# Altium PCB MainBoard_V1_2.PcbDoc (continued)
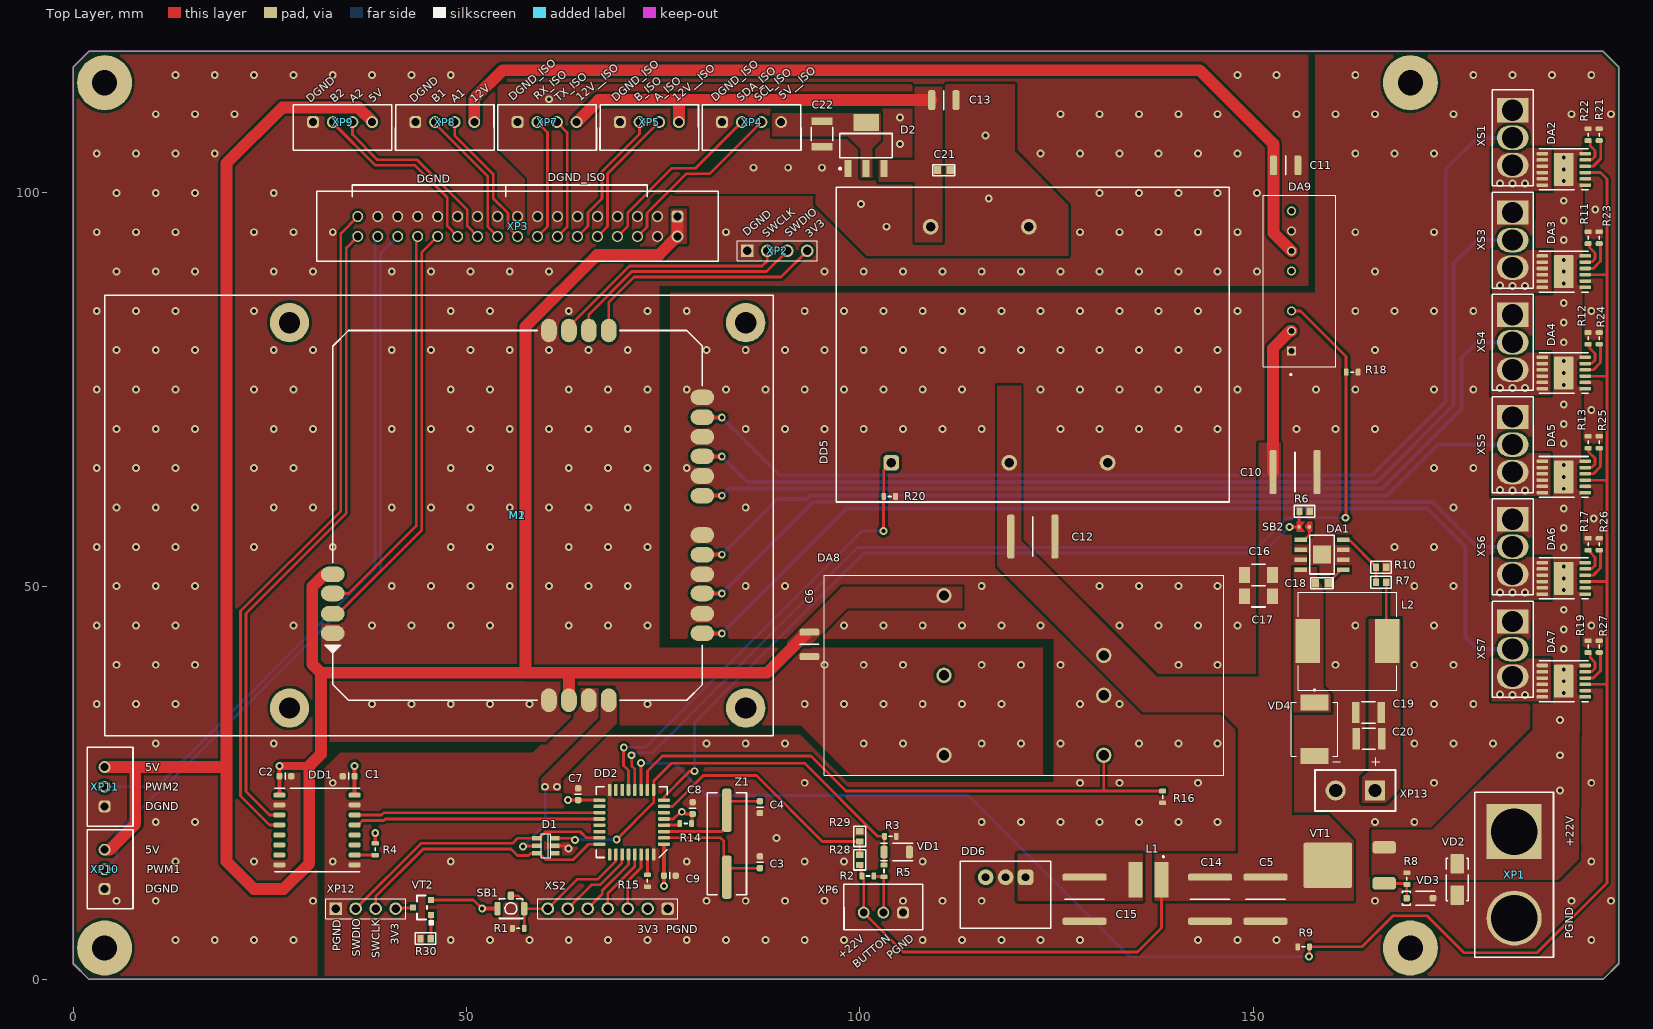
[diagram p0: Top Layer view]
## Part data (continued)
R10: library part Resistor_11k_1_0603, "Резистор номиналом 11 кОм и точностью 1%", Tolerance=1%, Part Number=Resistor_11k_1_0603
R21 R23 R24 R25 R26 R27: library part RC0603FR-071KL, "SMD 0603; 0,1; 1%; 1 кОм", Manufacturer=Yageo, Package="SMD 0603", Power=0,1, Category=R, Part Number=RC0603FR-071KL, Persent=1%
SB1: "SB", Manufacturer=OMRON, Part Number=B3U-1100PB, Type=SB
SB2: "Solder bridge, мост припоя, запаиваемая перемычка, net tie, jumper", Part Number=SB
VD1: "Zener, 3,3В", Manufacturer=Nexperia, Part Number=BZV55-C3V3,115, Type=Zener
VD2: "TVS 26 В", Manufacturer=BOURNS, Power=400W, Voltage=26V, Part Number=SMAJ26CA, Type=TVS
VD3: "Zener, 15В", Manufacturer=Nexperia, Part Number=BZX384-C15,115, Type=Zener
VD4: "Диод шоттки на 60 В, ном. ток 5 А", Current (A)=5, Voltage nominal (V)=60, Part Number=SK56
VT1: "P MOSFET", Manufacturer=Infineon, Part Number=IRFR5305TRPBF, Type=MOSFET, Сharacter=P
VT2: "P-канальный MOSFET", Part Number=AO3401A
XP1 XS1 XS3 XS4 XS5 XS6 XS7: Manufacturer=AMASS, Type=XT
  XP1: Part Number=XT90H-M
  XS1 XS3 XS4 XS5 XS6 XS7: Part Number=MR30-FB
XP2 XP12 XS2: Manufacturer=-, ComponentLink1Description=Datasheet
  XP2 XP12: Part Number=PLS-4, Type=PLS
  XS2: Part Number=PBS-7, Type=PBS
XP3: "IDC", Manufacturer=Connfly, Part Number=DS1013-34S, Type=IDC
XP4 XP5 XP6 XP7 XP8 XP9 XP10 XP11: Manufacturer=Connfly, Type=XH
  XP4 XP5 XP7 XP8 XP9: Part Number="DS1069-4 M"
  XP6 XP10 XP11: Part Number="DS1069-3 M"
XP13: "30 А (15 продолжительно), прямая мать", Value1=12V_PWR, Value2=PGND, Part Number=XT30UPB-F
Z1: library part 8.000MHzHC-49SM, "8.000MHzHC-49SM", Manufacturer=-, ComponentLink1Description=Datasheet, Part Number=8.000MHzHC-49SM, Type=Quartz

## Free pads (board coordinates)
  round 7 hole 3.2: 0(4,4) 0(4,114) 0(170,4) 0(170,114)

## Via types
v1: diameter 1, hole 0.5, Top Layer to Bottom Layer, tented both sides, 486 vias

## Nets (pads, with @x,y where several pads share a name; then routed paths per layer and width w, separated by ;. In a path a pad name is that pad's centre, name@x,y a point inside that pad or via, vN(x,y) a via of type N, cw(c..) or ccw(c..) an arc to the next point about the centre after c; other vN are vias at no path point)
3V3: C1.1 C7.1 C8.1 C9.1 D1.5 DD1.16 DD2.1 DD2.5 DD2.17 DD6.3 M1.21 R4.2 R14.1 SB1.2 VT2.2 XS2.2 | length 38.9
  Top Layer w0.35: VT2.2 50.895,10.105 v1(52,9) ; v1(57.2,16.925) 57.238,16.963 58.913,16.963 D1.5 ; v1(62.9,22.8) C7.1 DD2.17 ; DD2.5 76.29,20.4 77.202,21.312 v1(77.375,21.312) 77.551,21.312 77.839,21.025 C8.1 78.685,20.96 78.685,19.89 R14.1
  Top Layer w0.5: DD1.16 C1.1 v1(35.775,27.145) ; R4.2 v1(38.4,18.6) ; v1(52,9) SB1.2 ; v1(75.1,11.9) C9.1 75.1,16.975
  Bottom Layer w0.35: v1(57.2,16.925) 60,19.725 v1(60,24.5)
  other v1: 61.5,24.5
3V3_ISO: C22.2 D2.2 XP4.4
5V: C2.1 C6.1 DA8.3 DD1.1 M1.4 M1.23 XP3.1 XP3.2 XP9.4 XP10.3 XP11.3 | length 336.8
  Top Layer w0.5: DD1.1 v1(26.225,27.145)
  Top Layer w1: v1(26.225,27.145) 30,27.145
  Top Layer w1.5: XP10.3 4.643,16.5 7.9,19.757 7.9,27 ; XP11.3 7.9,27 ; 19.35,27 7.9,27 ; 19.5,103.763 19.5,14.957 22.957,11.5 26.763,11.5 30,14.737 30,27.145 31.5,28.645 31.5,39 ; 19.606,103.869 26.587,110.85 36.266,110.85 38,109.116 XP9.4 ; M1.4 32.904,51.404 31.854,51.404 30.4,49.95 30.4,40.1 31.5,39 ; M1.23 63.02,38.98 ; XP3.1 XP3.2 76.82,94.454 74.466,92.1 66.61,92.1 57.5,82.99 57.5,39 ; C6.1@93.1,43.85 88.23,38.98 63.02,38.98 ; 31.5,39 57.5,39 ; 57.5,39 57.52,38.98 63.02,38.98
5V_EN: DA8.6 DD2.10 R16.2 | length 75.1
  Top Layer w0.35: DD2.10 73,26.499 74.901,28.4 93.799,28.4 98.249,23.95 131.02,23.95 ; DA8.6@131.02,28.5 131.02,23.95 ; R16.2 131.02,23.95
12V: C11.1 DA9.6 XP8.4 | length 124.5
  Top Layer w1.5: XP8.4 51,112 54.6,115.6 143.2,115.6 152.6,106.2 C11.1 152.6,94.894 DA9.6
12V_EN: DA9.3 DD2.12 R18.2 | length 137.7
  Top Layer w0.35: v1(71,28.5) 71,27.14 71.4,26.74 DD2.12 ; DA9.3 156.01,84.99 161.8,79.2 161.8,77.2 161.8,58.739 v1(161.758,58.697)
  Bottom Layer w0.35: v1(71,28.5) 71.176,28.5 71.501,28.825 73.624,28.825 99.699,54.9 150.548,54.9 154.348,58.7 161.755,58.7 v1(161.758,58.697)
12V_ISO: C13.1 C21.2 D2.3 DD5.5 XP5.4 XP7.4 | length 49.1
  Top Layer w1.5: XP7.4 66.8,111.8 77,111.8 ; XP5.4 77,111.8 ; C13.1 77,111.8
12V_ISO_EN: DD2.13 DD5.1 R20.2 | length 59.2
  Top Layer w0.35: v1(70,29.5) 69.975,29.475 69.975,27.175 70.6,26.55 DD2.13 ; v1(103,57) 103.025,57.025 103.025,61.375 R20.2 103.05,64.695 104,65.645 DD5.1
  Bottom Layer w0.35: v1(70,29.5) 70.025,29.525 72.775,29.525 100.25,57 v1(103,57)
12V_PWR: C19.2 C20.2 L2.2 R7.2 XP13.P | length 7.5
  Top Layer w0.35: R7.2 166.935,43.115 L2.2
12V_PWR_EN: DD2.8 R6.2 SB2.2 | length 101
  Top Layer w0.35: DD2.8 75.1,23.2 78.325,26.425 78.95,26.425 v1(79,26.475) ; v1(154.612,57.515) 154.625,57.527 155.832,57.527 155.854,57.549 155.854,59.46 R6.2
  Bottom Layer w0.35: v1(79,26.475) 79,32.69 100.51,54.2 151.297,54.2 v1(154.612,57.515)
22V: C5.1 C10.1 C12.1 C14.1 C16.2 C17.2 DA1.7 DA8.1 DA9.2 DD5.2 L1.1 R2.1 R28.2 VT1.2 XP6.3 | length 72.6
  Top Layer w0.35: R28.2 100.165,14.396 100.165,13.276 R2.1 100.29,13.001 100.5,12.791 XP6.3 105.5,3.5 135.3,3.5 138.35,6.55 L1.1
  Top Layer w1.5: C10.1 152.536,80.248 154.738,82.45 DA9.2
22V_BMA_1: DA2.7 DA2.8 DA2.9 DA2.10 DA2.11 DA2.12 XS1.3
  other v1: 183,101.181 184.588,101.181 181.412,101.214
22V_BMA_2: DA3.7 DA3.8 DA3.9 DA3.10 DA3.11 DA3.12 XS3.3
  other v1: 183,88.181 184.588,88.181 181.412,88.214
22V_BMA_3: DA4.7 DA4.8 DA4.9 DA4.10 DA4.11 DA4.12 XS4.3
  other v1: 183,75.181 184.588,75.181 181.412,75.214
22V_BMA_4: DA5.7 DA5.8 DA5.9 DA5.10 DA5.11 DA5.12 XS5.3
  other v1: 183,62.181 184.588,62.181 181.412,62.214
22V_BMA_5: DA6.7 DA6.8 DA6.9 DA6.10 DA6.11 DA6.12 XS6.3
  other v1: 183,49.181 184.588,49.181 181.412,49.214
22V_BMA_6: DA7.7 DA7.8 DA7.9 DA7.10 DA7.11 DA7.12 XS7.3
  other v1: 183,36.181 184.588,36.181 181.412,36.214
22V_BMA_EN: DA2.3 DA3.3 DA4.3 DA5.3 DA6.3 DA7.3 DD2.11 R9.1 | length 251.2
  Top Layer w0.35: DD2.11 v1(72.2,27.5) ; v1(157.1,2.9) 157.137,2.937 157.137,4.109 R9.1 163.82,4.146 167.775,8.1 172.13,8.1 176.83,3.4 186.1,3.4 194.983,12.283 194.983,37.514 ; DA6.3 194.983,50.586 ; DA5.3 194.152,63.48 194.156,63.476 194.983,63.476 ; DA4.3 194.154,76.7 194.983,76.7 ; DA3.3 194.983,89.586 ; DA2.3 194.164,102.586 194.983,101.767 194.983,89.586 ; DA7.3 194.983,37.514 ; 194.983,37.514 194.983,50.586 ; 194.983,50.586 194.983,63.476 ; 194.983,63.476 194.983,76.7 ; 194.983,76.7 194.983,80.32 194.983,82.679 194.983,89.586
  Bottom Layer w0.35: v1(72.2,27.5) 76.41,27.5 80.51,23.4 113.802,23.4 134.302,2.9 v1(157.1,2.9)
22VIN: DA2.1 DA2.6 DA2.13 DA3.1 DA3.6 DA3.13 DA4.1 DA4.6 DA4.13 DA5.1 DA5.6 DA5.13 DA6.1 DA6.6 DA6.13 DA7.1 DA7.6 DA7.13 R8.1 VD2.1 VT1.3 XP1.1
  other v1: 189,24 189,28.5 189,33 189.5,36.414 189.5,37.914 189.5,39.414 189.5,42 189.5,44.5 189.5,47 189.5,49.486 189.5,50.986 189.5,52.486 189.5,54.894 189.5,57.394 189.5,59.894 189.5,62.38 189.5,63.88 189.5,65.38 189.5,68.114 189.5,70.614 189.5,73.114 189.5,75.6 189.5,77.1 189.5,78.6 189.5,81 189.5,83.5 189.5,86 189.5,88.486 189.5,89.986 189.5,91.486 189.5,94 189.5,96.5 189.5,99 189.5,101.486 189.5,102.986 189.5,104.486
A_1: XP3.18 XP8.3 | length 17.9
  Top Layer w0.35: XP8.3 48.5,107.3 53.39,102.41 53.39,99.312 55.275,97.427 55.275,95.685 XP3.18
A_2: XP3.22 XP9.3 | length 24.1
  Top Layer w0.35: XP9.3 35.5,107.4 38.7,104.2 43.74,104.2 50.105,97.835 50.105,95.775 XP3.22
A_ISO: XP3.10 XP5.3 | length 17.8
  Top Layer w0.35: XP3.10 67.925,95.725 67.925,102.425 XP5.3
B_1: XP3.20 XP8.2 | length 17.8
  Top Layer w0.35: XP8.2 46,108.81 52.69,102.12 52.69,95.73 XP3.20
B_2: XP3.24 XP9.2 | length 24.1
  Top Layer w0.35: XP9.2 33,108.91 38.41,103.5 43.45,103.5 47.565,99.385 47.565,95.775 XP3.24
B_ISO: XP3.12 XP5.2 | length 17.8
  Top Layer w0.35: XP3.12 65.435,95.775 65.435,97.507 67.225,99.297 67.225,102.715 72,107.49 XP5.2
BUTTON: D1.3 DD2.9 R3.1 R5.2 VD1.1 | length 55.1
  Top Layer w0.35: D1.3 63.41,17.95 63.61,17.75 v1(63.785,17.75) ; v1(69.1,17.783) 73.8,22.483 73.8,25.199 76.101,27.5 92.968,27.5 102.268,18.2 R3.1 103.125,18.175 103.125,16.225 VD1.1 103.092,16.192 103.092,14.553 R5.2
  Bottom Layer w0.35: v1(63.785,17.75) 69.067,17.75 v1(69.1,17.783)
DGND: C2.2 C6.2 C11.2 DA8.5 DA9.7 DD1.2 DD1.8 M1.1 M1.5 M1.24 XP2.1 XP3.3 XP3.4 XP3.17 XP3.19 XP3.21 XP3.23 XP3.25 XP3.27 XP3.29 XP3.31 XP8.1 XP9.1 XP10.1 XP11.1
  other v1: 13,5 18,5 23,5 28,5 5.5,10 10.5,10 30.5,10 13,15 23,15 10.5,20 15.5,20 10.5,30 25.5,30 100.5,30 105.5,30 115.5,30 120.5,30 3,35 8,35 13,35 38,35 43,35 48,35 53,35 58,35 73,35 93,35 98,35 103,35 108,35 113,35 118,35 5.5,40 10.5,40 15.5,40 95.5,40 100.5,40 105.5,40 115.5,40 120.5,40 3,45 8,45 13,45 28,45 38,45 43,45 48,45 53,45 63,45 68,45 73,45 5.5,50 10.5,50 15.5,50 40.5,50 45.5,50 50.5,50 55.5,50 60.5,50 65.5,50 70.5,50 3,55 8,55 13,55 23,55 33,55 48,55 53,55 63,55 68,55 73,55 5.5,60 10.5,60 15.5,60 25.5,60 30.5,60 40.5,60 45.5,60 50.5,60 55.5,60 60.5,60 65.5,60 70.5,60 3,65 8,65 13,65 23,65 28,65 48,65 53,65 63,65 68,65 73,65 5.5,70 10.5,70 15.5,70 25.5,70 30.5,70 40.5,70 45.5,70 50.5,70 55.5,70 60.5,70 65.5,70 70.5,70 3,75 8,75 13,75 23,75 28,75 48,75 53,75 63,75 68,75 73,75 5.5,80 10.5,80 15.5,80 25.5,80 30.5,80 40.5,80 45.5,80 50.5,80 55.5,80 60.5,80 65.5,80 70.5,80 3,85 8,85 13,85 23,85 48,85 53,85 63,85 73,85 5.5,90 10.5,90 15.5,90 25.5,90 30.5,90 40.5,90 45.5,90 50.5,90 55.5,90 60.5,90 95.5,90 100.5,90 105.5,90 110.5,90 115.5,90 120.5,90 125.5,90 130.5,90 135.5,90 140.5,90 145.5,90 150.5,90 3,95 8,95 13,95 23,95 28,95 33,95 83,95 128,95 133,95 138,95 143,95 148,95 5.5,100 10.5,100 15.5,100 25.5,100 130.5,100 135.5,100 140.5,100 145.5,100 150.5,100 3,105 8,105 13,105 18,105 123,105 128,105 133,105 138,105 143,105 148,105 10.5,110 15.5,110 20.5,110 125.5,110 130.5,110 135.5,110 140.5,110 145.5,110 155.5,110 13,115 18,115 23,115 28,115 33,115 38,115 43,115 48,115 148,115 153,115
DGND_ISO: C13.2 C21.1 C22.1 D2.1 DD5.4 XP3.5 XP3.7 XP3.9 XP3.11 XP3.13 XP3.15 XP4.1 XP5.1 XP7.1
  other v1: 103.4,95.7 100.15,98.6 116.4,99.3 86.5,103.2 90.9,103.2 95.2,103.2 105.1,106.2 116,107.3 105.1,109.6 60.5,111.9
NetC3_2: C3.2 DD2.2 Z1.2 | length 15.8
  Top Layer w0.35: DD2.2 82.308,18 82.718,17.59 82.718,15.605 82.8,15.523 82.8,14.15 C3.2
NetC4_2: C4.2 DD2.3 Z1.1 | length 15.9
  Top Layer w0.35: DD2.3 82.477,18.8 82.8,19.123 82.8,22.65 C4.2
NetC15_1: C15.1 DD6.1 L1.2
NetC18_1: C18.1 DA1.1 | length 3
  Top Layer w0.35: C18.1@159.56,50.191 159.56,50.453 160.86,51.753 160.86,51.97 160.985,52.095 DA1.1
NetC18_2: C18.2 DA1.8 L2.1 VD4.2
NetDA1_4: DA1.4 R7.1 R10.1 | length 7.6
  Top Layer w0.35: DA1.4 161.585,55.78 162.325,55.78 165.635,52.47 R10.1 R7.1
NetDA1_5: DA1.5 SB2.1 | length 2.4
  Top Layer w0.35: DA1.5 156.185,56.03 156.66,56.03 157.144,56.514 SB2.1
NetDA2_4: DA2.4 R21.1 | length 4.8
  Top Layer w0.35: DA2.4 193.248,103.386 194.203,104.34 194.203,106.525 194.078,106.65 R21.1
NetDA2_5: DA2.5 R22.1 | length 3.9
  Top Layer w0.35: DA2.5 192.271,104.232 193.105,104.232 193.479,104.607 193.479,105.365 192.875,105.969 192.875,106.525 192.75,106.65 R22.1
NetDA3_4: DA3.4 R23.1 | length 4.7
  Top Layer w0.35: DA3.4 193.248,90.386 194.179,91.317 194.179,93.426 194.054,93.551 R23.1
NetDA3_5: DA3.5 R11.1 | length 3.8
  Top Layer w0.35: DA3.5 192.271,91.232 193.105,91.232 193.479,91.607 193.479,92.365 192.769,93.076 192.769,93.426 192.644,93.551 R11.1
NetDA4_4: DA4.4 R24.1 | length 4.8
  Top Layer w0.35: DA4.4 193.248,77.5 194.179,78.431 194.179,80.625 194.054,80.75 R24.1
NetDA4_5: DA4.5 R12.1 | length 3.9
  Top Layer w0.35: DA4.5 192.271,78.346 193.105,78.346 193.479,78.721 193.479,79.594 192.798,80.275 192.798,80.625 192.673,80.75 R12.1
NetDA5_4: DA5.4 R25.1 | length 4.8
  Top Layer w0.35: DA5.4 193.248,64.28 194.179,65.211 194.179,67.425 194.054,67.55 R25.1
NetDA5_5: DA5.5 R13.1 | length 3.8
  Top Layer w0.35: DA5.5 192.271,65.126 193.105,65.126 193.479,65.501 193.479,66.259 192.663,67.075 192.663,67.486 R13.1
NetDA6_4: DA6.4 R26.1 | length 4.7
  Top Layer w0.35: DA6.4 193.248,51.386 194.179,52.317 194.179,54.455 194.054,54.58 R26.1
NetDA6_5: DA6.5 R17.1 | length 3.9
  Top Layer w0.35: DA6.5 192.271,52.232 193.105,52.232 193.479,52.607 193.479,53.666 192.874,54.271 192.874,54.455 192.749,54.58 R17.1
NetDA7_4: DA7.4 R27.1 | length 4.8
  Top Layer w0.35: DA7.4 193.249,38.314 194.179,39.245 194.179,41.586 R27.1@194.078,41.688
NetDA7_5: DA7.5 R19.1 | length 3.9
  Top Layer w0.35: DA7.5 192.271,39.161 193.105,39.161 193.479,39.535 193.479,40.293 192.874,40.899 192.874,41.44 192.749,41.565 R19.1
NetDD1_3: DD1.3 XP3.34 | length 81.9
  Top Layer w0.35: DD1.3 24.95,20.905 21.975,23.88 21.975,46.535 34.725,59.285 34.725,93.005 XP3.34
NetDD1_4: DD1.4 XP3.33 | length 86.3
  Top Layer w0.35: DD1.4 24.95,19.635 21.275,23.31 21.275,46.825 34.025,59.575 34.025,94.845 XP3.33
NetDD1_10: DD1.10 R4.1 | length 2.6
  Top Layer w0.35: DD1.10 35.788,15.813 38.387,15.813 R4.1
NetDD2_4: DD2.4 R14.2 | length 1.7
  Top Layer w0.35: DD2.4@75.316,19.65 75.344,19.622 76.957,19.622 R14.2@76.978,19.643
NetDD2_31: DD2.31 R15.2 | length 2.6
  Top Layer w0.35: R15.2 DD2.31
NetM1_6: M1.6 XP2.2 | length 30.4
  Top Layer w0.35: M1.6 63.02,83 70.72,90.7 87.586,90.7 88.238,91.352 XP2.2
NetM1_7: M1.7 XP2.3 | length 30.6
  Top Layer w0.35: M1.7 65.56,84.55 71.01,90 88.156,90 XP2.3
NetM1_8: M1.8 XP2.4 | length 31.5
  Top Layer w0.35: M1.8 68.1,86.1 71.3,89.3 89.996,89.3 XP2.4
NetM1_10: M1.10 XS1.2 | length 141.1
  Top Layer w0.5: M1.10 v1(82.46,71.46)
  Bottom Layer w0.5: v1(82.46,71.46) 89.82,64.1 165.1,64.1 174.5,73.5 174.5,103 178.5,107 XS1.2
NetM1_12: M1.12 XS3.2 | length 127.6
  Top Layer w0.5: M1.12 v1(82.46,66.5)
  Bottom Layer w0.5: v1(82.46,66.5) 85.71,63.25 165.75,63.25 175.5,73 175.5,91 178.5,94 XS3.2
NetM1_14: M1.14 XS4.2 | length 114.9
  Top Layer w0.5: M1.14 v1(82.46,61.5)
  Bottom Layer w0.5: v1(82.46,61.5) 83.36,62.4 166.4,62.4 176.5,72.5 176.5,79 178.5,81 XS4.2
NetM1_16: M1.16 XS5.2 | length 108.8
  Top Layer w0.5: M1.16 v1(82.46,54)
  Bottom Layer w0.5: v1(82.46,54) 89.56,61.1 93.278,61.1 93.728,61.55 167.05,61.55 173.5,68 XS5.2
NetM1_18: M1.18 XS6.2 | length 110.2
  Top Layer w0.5: M1.18 v1(82.46,49.08)
  Bottom Layer w0.5: v1(82.46,49.08) 94.08,60.7 172.8,60.7 178.5,55 XS6.2
NetM1_20: M1.20 XS7.2 | length 123.7
  Top Layer w0.5: M1.20 v1(82.46,44)
  Bottom Layer w0.5: v1(82.46,44) 98.31,59.85 172.15,59.85 177,55 177,43.5 178.5,42 XS7.2
NetR2_2: R2.2 R5.1 XP6.2 | length 5.9
  Top Layer w0.35: R2.2 101.843,13.098 103.031,13.098 R5.1 103.042,13.003 103.042,8.542 XP6.2
NetR8_2: R8.2 VD3.1 VT1.1 | length 4.7
  Top Layer w0.35: VT1.1 169.266,12.214 169.412,12.068 R8.2 169.544,12.049 169.544,10.357 VD3.1
NetR30_2: R30.2 VT2.1 | length 3
  Top Layer w0.35: R30.2 45.475,5.225 45.475,8.175 VT2.1
NetVT2_3: VT2.3 XP12.4 | length 2.3
  Top Layer w0.35: XP12.4 41.076,9.076 43.138,9.076 VT2.3
PGND: C1.2 C3.1 C4.1 C5.2 C7.2 C8.2 C9.2 C10.2 C12.2 C14.2 C15.2 C16.1 C17.1 C19.1 C20.1 D1.2 DA1.2 DA1.3 DA1.6 DA1.9 DA2.2 DA3.2 DA4.2 DA5.2 DA6.2 DA7.2 DA8.2 DA9.1 DD1.9 DD1.15 DD2.16 DD2.32 DD5.3 DD6.2 M1.9 M1.11 M1.13 M1.15 M1.17 M1.19 M1.22 R1.2 R3.2 R6.1 R9.2 R10.2 R11.2 R12.2 R13.2 R15.1 R16.1 R17.2 R18.1 R19.2 R20.1 R21.2 R22.2 R23.2 R24.2 R25.2 R26.2 R27.2 R29.1 R30.1 VD1.2 VD2.2 VD3.2 VD4.1 XP1.2 XP6.1 XP12.1 XP13.N XS1.1 XS2.1 XS3.1 XS4.1 XS5.1 XS6.1 XS7.1 | length 1.9
  Top Layer w0.35: D1.2 62.47,17 62.801,16.669 v1(62.977,16.669)
  other v1: 48,5 53,5 58,5 63,5 68,5 73,5 78,5 83,5 88,5 93,5 98,5 108,5 113,5 118,5 123,5 128,5 143,5 148,5 153,5 193,5 80.5,10 85.5,10 90.5,10 95.5,10 105.5,10 110.5,10 115.5,10 165.5,10 190.5,10 195.5,10 33,15 48,15 78,15 93,15 98,15 108,15 193,15 89.4,18 115.5,20 120.5,20 125.5,20 130.5,20 135.5,20 140.5,20 145.5,20 165.5,20 170.5,20 33,25 93,25 128,25 133,25 143,25 173,25 193,25 80.5,30 85.5,30 90.5,30 125.5,30 135.5,30 140.5,30 145.5,30 170.5,30 175.5,30 180.5,30 128,35 133,35 173,35 178,35 125.5,40 140.5,40 145.5,40 160.5,40 170.5,40 175.5,40 98,45 103,45 108,45 113,45 118,45 123,45 133,45 138,45 143,45 148,45 163,45 173,45 193,45 85.5,50 90.5,50 115.5,50 130.5,50 135.5,50 140.5,50 145.5,50 170.5,50 175.5,50 168,55 173,55 193.314,58.6 85.5,60 175.5,60 78,65 173,65 178,65 85.5,70 90.5,70 95.5,70 100.5,70 105.5,70 110.5,70 115.5,70 125.5,70 130.5,70 135.5,70 140.5,70 145.5,70 155.5,70 160.5,70 165.5,70 193,72.4 78,75 83,75 88,75 93,75 98,75 103,75 108,75 113,75 123,75 128,75 133,75 138,75 143,75 148,75 158,75 163,75 173,75 178,75 80.5,80 85.5,80 90.5,80 95.5,80 100.5,80 105.5,80 110.5,80 115.5,80 120.5,80 125.5,80 130.5,80 135.5,80 140.5,80 145.5,80 165.5,80 78,85 93,85 98,85 103,85 108,85 113,85 118,85 123,85 128,85 133,85 138,85 143,85 148,85 163,85 168,85 173,85 178,85 193,85 165.5,90 163,95 173,95 193.5,97.9 163,105 168,105 173,105 160.5,110 165.5,110 175.5,110 190.5,110 195.5,110 163,115 178,115 183,115 188,115 193,115
PWM1: XP3.30 XP10.2 | length 96
  Bottom Layer w0.35: XP10.2 5.5,15.5 5.5,18.6 10.7,23.8 10.95,23.8 39.08,51.93 39.08,92.28 XP3.30
PWM2: XP3.32 XP11.2 | length 88.2
  Bottom Layer w0.35: XP11.2 10.66,24.5 38.38,52.22 38.38,93.809 38.72,94.149 XP3.32
RF0: DD2.30 XS2.3 | length 7.6
  Top Layer w0.35: XS2.3 70.5,12.5 72.2,14.2 DD2.30
RF1: DD2.29 XS2.4 | length 8.3
  Top Layer w0.35: XS2.4 67.96,10.95 71.4,14.39 DD2.29
RF2: DD2.28 XS2.5 | length 9
  Top Layer w0.35: XS2.5 67.26,10.84 67.26,11.285 70.6,14.625 DD2.28
RF3: DD2.27 XS2.6 | length 10.4
  Top Layer w0.35: XS2.6 65.904,12.024 66.965,12.024 69.75,14.809 69.75,15.85 DD2.27
RF_PROG: DD2.26 R1.1 SB1.1 SB1.3 XS2.7 | length 20.4
  Top Layer w0.35: SB1.3 56.565,10.65 57.13,10.085 57.13,9.21 SB1.1 ; R1.1 SB1.1 ; DD2.26 68.95,15.85 68.95,14.998 66.675,12.724 64.064,12.724 XS2.7 SB1.1
RP0: DD1.14 DD2.19 | length 31.2
  Top Layer w0.35: DD1.14 39.2,20.905 39.495,21.2 DD2.19
RP1: DD1.13 DD2.20 | length 31.4
  Top Layer w0.35: DD1.13 36.225,19.635 36.795,20.205 36.985,20.205 39.49,20.205 39.685,20.4 DD2.20
SCL_ISO: XP3.6 XP4.3 | length 22.8
  Top Layer w0.35: XP3.6 72.965,95.685 72.965,97.417 77.991,102.444 80.944,102.444 XP4.3
SDA_ISO: XP3.8 XP4.2 | length 22.8
  Top Layer w0.35: XP3.8 70.515,95.775 70.515,97.507 76.151,103.144 79.144,103.144 XP4.2
SWCLK: D1.6 DD2.24 XP12.3 | length 33.8
  Top Layer w0.35: XP12.3 38.46,10.55 44.51,16.6 55.64,16.6 56.49,15.75 57.89,15.75 58.175,16.035 58.935,16.035 D1.6 ; D1.6@59.25,16.05 59.6,15.7 60.075,15.225 63.575,15.225 65.55,17.2 DD2.24
SWDIO: D1.4 DD2.23 XP12.2 | length 35.3
  Top Layer w0.35: XP12.2 44.22,17.3 55.84,17.3 56.49,17.95 59.25,17.95 59.6,18.3 60.075,18.775 64.461,18.775 65.236,18 DD2.23
UART5_RX: M1.3 XP3.28 | length 51
  Top Layer w0.35: M1.3 35.025,49.08 43.6,57.655 43.6,94.26 XP3.28
UART5_TX: M1.2 XP3.26 | length 53.9
  Top Layer w0.35: M1.2 33.707,46.5 44.3,57.093 44.3,92.42 XP3.26
UART_RX_ISO: XP3.16 XP7.2 | length 15.7
  Top Layer w0.35: XP7.2 60.3,107.7 60.3,95.72 59.1,94.52 59.1,94.4 XP3.16
UART_TX_ISO: XP3.14 XP7.3 | length 15.6
  Top Layer w0.35: XP7.3 62.805,107.695 62.805,95.685 XP3.14
VIN_MSR: DD2.7 R28.1 R29.2 | length 31.7
  Top Layer w0.35: DD2.7 76.178,22 80.103,25.925 86.854,25.925 95.229,17.55 R29.2 R28.1
pads on no net: D1.1 DA8.4 DA9.5 DA9.8 DD1.5 DD1.6 DD1.7 DD1.11 DD1.12 DD2.6 DD2.14 DD2.15 DD2.18 DD2.21 DD2.22 DD2.25 M2.0

## Polygon pours and split planes (outlines as drawn)
DGND on Top Layer "NONET_L-01_P-001" (solid, remove dead copper, pour order 19): -0.716,0.199 31.034,0.199 31.034,30.199 60.085,30.199 63.844,33.959 63.844,37.381 68.995,37.381 68.995,32.3 92.5,32.3 98.84,25.96 123.284,25.96 123.284,42.2 74.534,42.2 74.534,88.2 157.034,88.2 157.034,118.199 -0.716,118.199 -0.716,115.199
PGND on Top Layer "Top Layer-PGND" (solid, pour order 20): 32,26.866 33.934,28.8 58.395,28.8 64.56,34.83 64.56,37 66.779,37 66.779,31.082 92.418,31.082 98.418,25.082 124.671,25.082 124.671,43.3 75.9,43.3 75.9,87.332 157.921,87.332 157.921,118 196.5,118 196.5,-0.006 32,0
22VIN on Top Layer "NONET_L-01_P-001" (solid, remove dead copper, pour order 16): 191.382,15.4 191.382,15.282 188.8,12.7 179.98,12.7 165.059,12.7 165.059,19 172.793,19 185.559,31.766 185.559,33.566 186.026,105.586 191.93,105.586 191.393,17.201 191.4,17.194
22V on Top Layer "Top Layer-22V" (solid, remove dead copper, pour order 13): 159.519,20.98 159.439,20.9 154.9,20.9 154.9,49.823 156.835,51.758 156.835,56.514 153.5,56.514 153.5,68.2 150.719,68.2 150.719,38.5 137.776,38.5 120.5,55.776 120.5,75.5 117.5,75.5 117.5,52.5 136,34 146,34 148.1,31.9 148.1,16 137.5,16 137.5,10 162.775,10 162.775,17.644
3V3 on Top Layer "NONET_L-01_P-001" (solid, remove dead copper, pour order 14): 67.1,35.5 69.1,35.5 69.1,32.6 62,25.5 62,24 59.5,24 59.5,25.5 67.1,33.1
DGND_ISO on Top Layer "NONET_L-01_P-001" (solid, remove dead copper, pour order 5): 100.9,92 94.4,98.5 94.4,99.9 74.035,99.9 73.382,99.248 73.382,93.11 57.745,93.11 57.745,101.855 53.993,105.607 53.993,113.8 119.7,113.8 119.7,105.313 126.5,98.4 126.5,92
3V3_ISO on Top Layer "5V_ISO" (solid, pour order 2): 98.5,107.2 100,105.7 100.1,105.6 100.1,102 100.2,101.9 101.6,101.9 101.6,105.675 102.65,106.725 102.65,110.15 88.89,110.15 88.89,107.2
22V_BMA_6 on Top Layer "22V_BMA_6_L01_P011" (solid, pour order 11): 180.329,40.786 180.329,35.386 187.829,35.386 187.829,40.786 185.329,40.786
22V_BMA_5 on Top Layer "22V_BMA_5_L01_P010" (solid, pour order 10): 180.295,53.686 180.295,48.286 187.795,48.286 187.795,53.686 185.295,53.686
22V_BMA_4 on Top Layer "22V_BMA_4_L01_P009" (solid, pour order 9): 180.3,66.865 180.3,61.465 187.8,61.465 187.8,66.865 185.3,66.865
22V_BMA_3 on Top Layer "22V_BMA_3_L01_P008" (solid, pour order 8): 180.3,79.695 180.3,74.295 187.8,74.295 187.8,79.695 185.3,79.695
22V_BMA_2 on Top Layer "22V_BMA_2_L01_P007" (solid, pour order 7): 180.424,92.686 180.424,87.286 187.924,87.286 187.924,92.686 185.424,92.686
22V_BMA_1 on Top Layer "22V_BMA_1_L01_P006" (solid, pour order 6): 180.407,105.686 180.407,100.286 187.907,100.286 187.907,105.686 185.407,105.686
12V_PWR on Top Layer "NONET_L-01_P-001" (solid, pour order 18): 164.713,45.8 164.713,29.423 164.702,29.423 164.702,26.499 163.875,25.681 163.875,22.465 166.865,22.465 168.7,24.3 168.7,45.8
5V on Top Layer "Top Layer-5V" (solid, remove dead copper, pour order 15): 93.62,42.42 98.4,47.2 100.171,47.2 113.011,47.2 113.011,49.9 97.75,49.9 90.811,42.961 90.811,42.42
NetC18_2 on Top Layer "NetC18_2" (solid, pour order 12): 158.094,52.395 158.094,50.781 158.9,49.976 158.9,37.168 159.9,36.168 159.9,33.95 155.15,33.95 155.15,52.395
NetC15_1 on Top Layer "NONET_L-01_P-001" (solid, remove dead copper, pour order 3): 120.08,10 135.95,10 135.95,16 120.08,16
12V_ISO on Top Layer "NONET_L-01_P-001" (solid, remove dead copper, pour order 4): 107,101.3 106.9,101.4 102.4,101.4 102.4,104.125 102.425,104.15 104.35,104.15 107,104.15 107,113.5 110.5,113.5 110.5,93.7 107,93.7
5V on Top Layer "NONET_L-01_P-001" (solid, remove dead copper, pour order 17): 76,98 76,93.5 78,93.5 78,98
PGND on Bottom Layer "Bottom Layer-PGND" (solid, remove dead copper, pour order 213): 196.422,-0.068 196.422,117.932 157.654,117.932 157.654,86.932 75.154,86.932 75.154,42.182 123.904,42.182 123.904,24.682 98.154,24.682 92.154,30.682 69.404,30.682 69.404,37.182 64.154,37.182 64.154,33.432 60.404,29.682 31.654,29.682 31.654,-0.068
DGND on Bottom Layer "NONET_L-01_P-001" (solid, remove dead copper, pour order 212): 0,0 31.75,0 31.75,30 60.5,30 64.25,33.75 64.25,37.5 70,37.5 70,31 92.5,31 98.5,25 124,25 124,42 75.25,42 75.25,87.25 157.75,87.25 157.75,118 0,118 0,115
DGND_ISO on Bottom Layer "DGND_ISO_L02_P209" (solid, remove dead copper, pour order 209): 100.9,92 94.4,98.5 94.4,99.9 74.035,99.9 73.382,99.248 73.382,93.11 57.745,93.11 57.745,101.855 53.993,105.607 53.993,113.8 119.7,113.8 119.7,105.313 126.5,98.4 126.5,92
22VIN on Bottom Layer "NONET_L-01_P-001" (solid, remove dead copper, pour order 210): 188.115,15.28 190.942,18.1 191.183,107.4 186.064,107.4 185.568,30.801 178.2,23.433 178.2,15.28
22V_BMA_6 on Bottom Layer "22V_BMA_6" (solid, pour order 208): 180.407,40.392 185.6,40.392 185.6,35.2 180.407,35.2
22V_BMA_5 on Bottom Layer "22V_BMA_5" (solid, pour order 207): 180.407,53.392 185.6,53.392 185.6,48.2 180.407,48.2
22V_BMA_4 on Bottom Layer "22V_BMA_4" (solid, pour order 206): 180.407,66.392 185.6,66.392 185.6,61.2 180.407,61.2
22V_BMA_3 on Bottom Layer "22V_BMA_3" (solid, pour order 205): 180.407,79.392 185.6,79.392 185.6,74.2 180.407,74.2
22V_BMA_2 on Bottom Layer "22V_BMA_2" (solid, pour order 204): 180.407,92.392 185.6,92.392 185.6,87.2 180.407,87.2
22V_BMA_1 on Bottom Layer "22V_BMA_1" (solid, pour order 203): 180.407,105.392 185.6,105.392 185.6,100.2 180.407,100.2
3V3 on Bottom Layer "Bottom Layer-3V3" (solid, remove dead copper, pour order 211): 72,7.5 74,7.5 74,9.5 76,11.5 76,16 80,20 107,20 115,12 117,12 117,14 108.5,22.5 80,22.5 77.5,25 77.5,25.5 39.5,25.5 37,28 35,28 35,20 40,15 40,8 42,8 42,22 51.5,22 51.5,9 52.5,9 52.5,22 68,22 72,18
no net on Bottom Solder "NONET_L-01_P-001" (solid): 184.2,24.5 186.748,27.093 186.847,106.8 191,106.8 191,22 186.5,17.5 179.5,17.5 179.5,24.5

## Keep-outs
Keep-Out Layer:
  lines w0.2: 0,2 0,116 2.013,118.013 194.488,118.013 196.5,116 196.5,2 194.5,0 2,0 0,2

## Silkscreen, mask and mechanical layers (free items; w line width, h text height)
Top Overlay:
  lines w0.2: 35.5,99.5 35.5,101 55,101 ; 55,99.5 55,101 ; 73,99.5 73,101 56,101 55.5,101 55,101
  text "5V__ISO" at 90.179,111.782 h1 r40
  text "RX_ISO" at 59.062,111.714 h1 r40
  text "DGND_ISO" at 55.896,111.671 h1 r40
  text "12V__ISO" at 64.46,111.567 h1 r40
  text "TX_ISO" at 61.762,111.514 h1 r40
  text "DGND_ISO" at 68.988,111.514 h1 r40
  text "B_ISO" at 71.845,111.514 h1 r40
  text "A_ISO" at 74.345,111.514 h1 r40
  text "12V__ISO" at 76.704,111.514 h1 r40
  text "DGND_ISO" at 81.631,111.514 h1 r40
  text "SDA_ISO" at 84.879,111.514 h1 r40
  text "SCL_ISO" at 87.079,111.514 h1 r40
  text "DGND" at 30.117,111.386 h1 r40
  text "B2" at 33.183,111.386 h1 r40
  text "A2" at 35.583,111.386 h1 r40
  text "5V" at 38.083,111.386 h1 r40
  text "DGND" at 43.317,111.386 h1 r40
  text "B1" at 46.111,111.386 h1 r40
  text "A1" at 48.511,111.386 h1 r40
  text "12V" at 50.964,111.386 h1 r40
  text "DGND_ISO" at 60.351,101.483 h1
  text "DGND" at 43.667,101.317 h1
  text "DGND" at 85.617,94.439 h1 r40
  text "SWDIO" at 90.998,94.271 h1 r40
  text "3V3" at 93.6,94.26 h1 r40
  text "SWCLK" at 88.134,94.218 h1 r40
  text "5V" at 9.167,26.5 h1
  text "PWM2" at 9.167,24 h1
  text "DGND" at 9.167,21.5 h1
  text "+22V" at 190.742,16.89 h1 r90
  text "5V" at 9.167,16 h1
  text "PWM1" at 9.334,13.5 h1
  text "DGND" at 9.167,11 h1
  text "3V3" at 71.708,5.9 h1
  text "PGND" at 75.38,5.9 h1
  text "PGND" at 190.7,5.2 h1 r90
  text "3V3" at 41.4,4.4 h1 r90
  text "PGND" at 34,3.6 h1 r90
  text "SWDIO" at 36.5,2.9 h1 r90
  text "SWCLK" at 39,2.7 h1 r90
  text "+22V" at 97.725,2.482 h1 r40
  text "PGND" at 103.925,2.482 h1 r40
  text "BUTTON" at 99.625,1.382 h1 r40